# Altium PCB EPS.PcbDoc (part 7 of 10)
Units mm, origin at the board's own origin, x right, y up, seen from the top; angles counter-clockwise.
Board outline 90.25 x 93.64 mm, 8 copper layers (Top Layer, PGND, Power, Control Signals 1, Control Signals 2, Signal 1, Signal 2, Bottom Layer), stack 1.637 mm thick; 953 components, 561 nets, 2718 pads, 883 vias.
Unrouted connection lines stored in the file: 2.
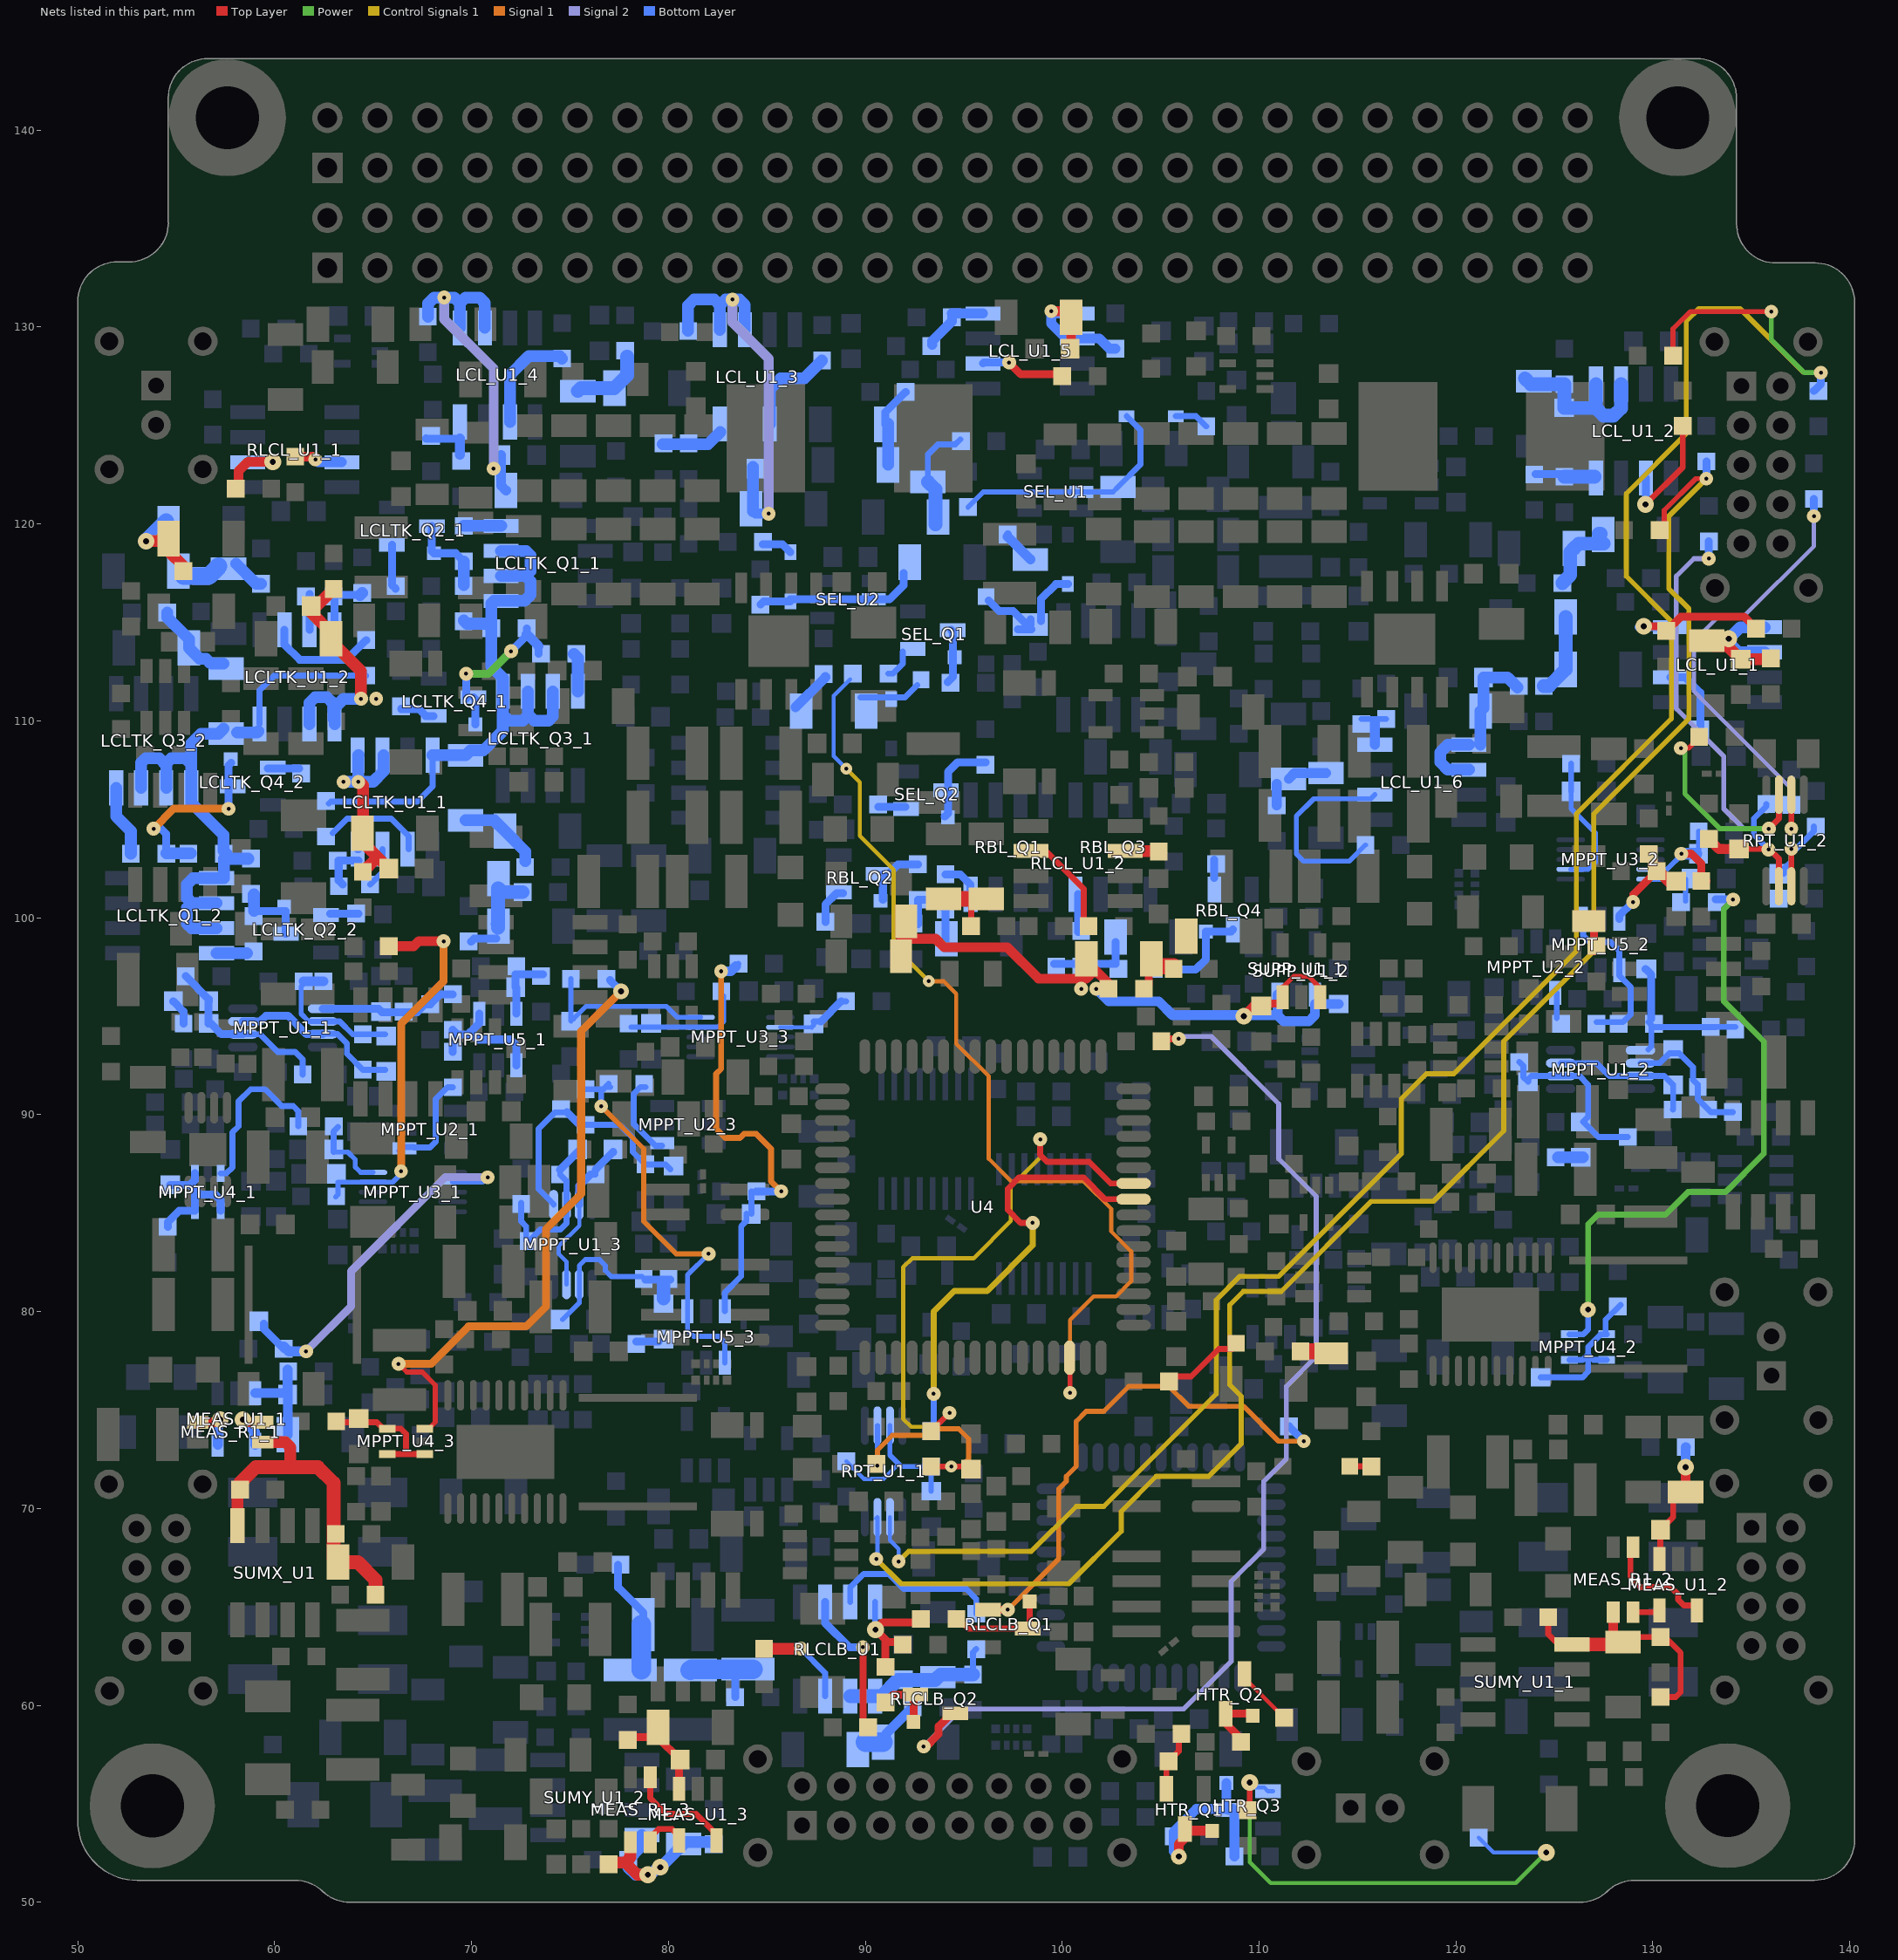
[diagram p13: the nets of this part, all layers, seen from the top]

## Via types
v1: diameter 0.7, hole 0.2, Top Layer to Bottom Layer, 440 vias
v2: diameter 0.85, hole 0.3, Top Layer to Bottom Layer, 329 vias
v3: diameter 0.6, hole 0.2, Top Layer to Bottom Layer, 70 vias
v4: diameter 0.8, hole 0.3, Top Layer to Bottom Layer, 24 vias
v5: diameter 0.75, hole 0.3, Top Layer to Bottom Layer, 13 vias
v6: diameter 0.7, hole 0.3, Top Layer to Bottom Layer, 3 vias
v7: diameter 1, hole 0.4, Top Layer to Bottom Layer, 2 vias
v8: diameter 1, hole 0.3, Top Layer to Bottom Layer, 1 vias
v9: diameter 0.75, hole 0.2, Top Layer to Bottom Layer, 1 vias

## Nets (pads, with @x,y where several pads share a name; then routed paths per layer and width w, separated by ;. In a path a pad name is that pad's centre, name@x,y a point inside that pad or via, vN(x,y) a via of type N, cw(c..) or ccw(c..) an arc to the next point about the centre after c; other vN are vias at no path point) (continued)
NetHTR_Q1_C: HTR_Q1.C HTR_Q1.Shield HTR_Q3.D HTR_Q3.Shield HTR_R2.2 HTR_R3.2 | length 11.6
  Top Layer w0.5: v4(105.918,52.324) 105.918,52.959 106.238,53.279 HTR_Q1.C@106.238,53.728 106.338,53.628 HTR_Q1.Shield@107.613,53.628
  Bottom Layer w0.5: v4(105.918,52.324) 105.653,52.589 HTR_R2.2@105.653,53.34 105.653,53.583 106.807,54.737 HTR_Q3.D@108.382,54.737 ; HTR_Q3.Shield@108.333,56.061 108.333,54.786 HTR_Q3.D@108.382,54.737 ; HTR_Q3.D@108.433,54.686 HTR_Q3.D@108.382,54.737 ; HTR_Q3.D@108.661,54.737 HTR_Q3.D@108.382,54.737 ; HTR_R3.2@108.752,52.324 HTR_Q3.D@108.752,54.686
NetHTR_Q1_E: HTR_Q1.E HTR_R1.1 HTR_R4.2 | length 3.1
  Top Layer w0.3: HTR_Q1.E@105.288,55.753 105.288,57.039 HTR_R4.2@105.399,57.15 105.918,57.669 HTR_R1.1@105.918,58.547
NetHTR_Q2_B: HTR_Q2.B HTR_R8.1 | length 3.1
  Top Layer w0.208: HTR_Q2.B@109.256,61.6 109.256,61.396 HTR_R8.1@111.277,59.374
NetHTR_Q2_C: HTR_Q2.C HTR_Q2.Shield HTR_R5.1 | length 3.1
  Top Layer w0.4: HTR_R5.1@109.129,58.268 108.306,59.091 HTR_Q2.C@108.306,59.575 109.581,59.575 HTR_Q2.Shield@109.681,59.475
NetHTR_Q3_G: HTR_Q3.G HTR_R6.2 HTR_R7.1 | length 27.3
  Top Layer w0.3: HTR_R6.2@109.093,54.57 109.525,55.002 v2(109.525,56.083)
  Power w0.208: v2(109.525,56.083) 109.525,52.045 110.592,50.978 123.038,50.978 v2(124.587,52.527)
  Bottom Layer w0.208: v2@109.347,55.829 v2@109.525,55.829 ; v2(109.525,56.083) v2@109.525,55.829 ; HTR_Q3.G@110.723,55.636 HTR_Q3.G@110.458,55.636 110.265,55.829 v2@109.525,55.829 ; HTR_R7.1@121.158,53.278 121.909,52.527 v2(124.587,52.527)
NetLCL_C1_1_2: LCL_C1_1.2 LCL_C3_1.1 LCL_R5_1.2 | length 4.1
  Bottom Layer w0.7: LCL_R5_1.2@124.46,111.771 124.726,111.771 LCL_C1_1.2@125.566,112.611 125.566,115.276 LCL_C3_1.1@125.564,115.278
NetLCL_C1_2_2: LCL_C1_2.2 LCL_C3_2.1 LCL_R5_2.2 | length 3.7
  Bottom Layer w0.7: LCL_R5_2.2@125.4,117 125.806,117.406 125.806,118.57 LCL_C3_2.1@125.987,118.75 126.237,119 LCL_C1_2.2@127.5,119 ; LCL_C1_2.2@127.25,119.5 LCL_C1_2.2@127.35,119.5
NetLCL_C1_3_2: LCL_C1_3.2 LCL_C3_3.1 LCL_R5_3.2 | length 4.2
  Bottom Layer w0.4: LCL_C1_3.2@91.02,125.057 91.02,125.68 LCL_R5_3.2@92.048,126.708
  Bottom Layer w0.6: LCL_C3_3.1@91.15,123 LCL_C1_3.2@91.15,125.1
NetLCL_C1_4_2: LCL_C1_4.2 LCL_C3_4.1 LCL_R5_4.2 | length 3.8
  Bottom Layer w0.7: LCL_C1_4.2@75.4,126.75 75.55,126.9 LCL_C3_4.1@77.25,126.9 77.9,127.55 LCL_R5_4.2@77.9,128.5
NetLCL_C1_5_2: LCL_C1_5.2 LCL_C3_5.1 LCL_R5_5.2 | length 5.7
  Bottom Layer w0.3: LCL_C1_5.2@93.18,122.137 93.18,123.533 93.688,124.041 94.566,124.041 LCL_R5_5.2@94.82,124.295
  Bottom Layer w0.7: LCL_C1_5.2@93.18,122.137 93.56,121.757 LCL_C3_5.1@93.56,119.977
NetLCL_C1_6_2: LCL_C1_6.2 LCL_C3_6.1 LCL_R5_6.2 | length 3.1
  Bottom Layer w0.5: LCL_R5_6.2@110.9,105.7 LCL_C3_6.1@110.9,106.807 ; LCL_C3_6.1@111.5,107.05 111.8,107.35 LCL_C1_6.2@113.4,107.35
NetLCL_C4_1_2: LCL_C4_1.2 LCL_C5_1.2 LCL_R3_1.2 LCL_U1_1.5 LCL_U1_1.6 | length 7.3
  Top Layer w0.6: LCL_C4_1.2@133.096,113.792 133.793,113.792 LCL_C5_1.2@134.455,113.13 LCL_R3_1.2@135.852,113.13
  Bottom Layer w0.6: LCL_U1_1.6@135.672,113.485 134.343,113.485 133.858,113.97 v2(133.858,114.173) 134.44,114.755 LCL_U1_1.5@135.672,114.755
NetLCL_C4_2_2: LCL_C4_2.2 LCL_C5_2.2 LCL_R3_2.2 LCL_U1_2.5 LCL_U1_2.6 | length 9
  Bottom Layer w0.7: LCL_C4_2.2@123.5,127.4 123.8,127.1 LCL_R3_2.2@125.5,127.1 LCL_C5_2.2@125.5,125.9 125.51,125.89 127.11,125.89 ; LCL_U1_2.5@127.11,127.11 127.11,125.89 ; LCL_U1_2.6@128.38,127.11 128.38,125.88 128,125.5 127.5,125.5 127.11,125.89
NetLCL_C4_3_2: LCL_C4_3.2 LCL_C5_3.2 LCL_R3_3.2 LCL_U1_3.5 LCL_U1_3.6 | length 21.9
  Signal 2 w0.5: v1(83.25,131.4) 83.25,130.237 85.09,128.397 v1(85.09,120.523)
  Bottom Layer w0.4: LCL_C4_3.2@84.3,120.65 LCL_C4_3.2@84.427,120.523
  Bottom Layer w0.5: LCL_C4_3.2@84.427,120.523 v1(85.09,120.523)
  Bottom Layer w0.6: LCL_R3_3.2@81,129.8 81,131.1 81.3,131.4 82.32,131.4 82.61,131.11 ; LCL_U1_3.5@82.61,129.86 82.61,131.11 ; LCL_U1_3.6@83.88,129.86 83.88,131.12 83.6,131.4 v1(83.25,131.4) 82.9,131.4 82.61,131.11 ; LCL_C4_3.2@84.3,120.65 LCL_C5_3.2@84.3,122.9
NetLCL_C4_4_2: LCL_C4_4.2 LCL_C5_4.2 LCL_R3_4.2 LCL_U1_4.5 LCL_U1_4.6 | length 18.2
  Signal 2 w0.5: v1(68.61,131.5) 68.61,130.399 71.12,127.889 v1(71.12,122.809)
  Bottom Layer w0.5: LCL_C5_4.2@71.5,123.5 71.5,121.95 LCL_C4_4.2@71.75,121.7
  Bottom Layer w0.6: LCL_R3_4.2@67.8,130.529 67.8,131.2 68.1,131.5 v1(68.61,131.5) 69.12,131.5 69.41,131.21 ; LCL_U1_4.5@69.41,129.96 69.41,131.21 ; LCL_U1_4.6@70.68,129.96 70.68,131.22 70.4,131.5 69.7,131.5 69.41,131.21
NetLCL_C4_5_2: LCL_C4_5.2 LCL_C5_5.2 LCL_R3_5.2 LCL_U1_5.5 LCL_U1_5.6 | length 7.9
  Top Layer w0.5: v1(99.441,130.81) 100.14,130.81 LCL_C4_5.2@100.45,130.5 100.45,128.95 LCL_C5_5.2@100.4,128.9
  Bottom Layer w0.5: v1(99.441,130.81) v1@99.441,130.69 ; LCL_U1_5.6@100.203,129.413 99.441,130.175 v1@99.441,130.69 ; LCL_U1_5.6@100.76,129.42 101.88,129.42 102.4,128.9 LCL_R3_5.2@102.7,128.9 ; LCL_U1_5.5@100.76,130.69 v1@99.441,130.69
NetLCL_C4_6_2: LCL_C4_6.2 LCL_C5_6.2 LCL_R3_6.2 LCL_U1_6.5 LCL_U1_6.6 | length 9.1
  Bottom Layer w0.6: LCL_U1_6.6@120.66,107.52 119.58,107.52 119.2,107.9 119.2,108.4 119.59,108.79 LCL_U1_6.5@120.66,108.79 ; LCL_U1_6.5@121.25,108.8 LCL_C4_6.2@121.25,110.5 121.4,110.65 LCL_C5_6.2@121.4,112.2 122.623,112.2 LCL_R3_6.2@123.121,111.702
NetLCL_R1_1_1: LCL_R1_1.1 LCL_U1_1.2 | length 3.7
  Bottom Layer w0.4: LCL_U1_1.2@130.892,112.215 131.625,112.215 132.412,111.428 LCL_R1_1.1@132.412,109.563
NetLCL_R1_2_1: LCL_R1_2.1 LCL_U1_2.2 | length 6.1
  Top Layer w0.3: v2(129.629,120.993) 131.521,122.885 LCL_R1_2.1@131.521,124.982
  Bottom Layer w0.4: v2(129.629,120.993) 129.65,121.014 LCL_U1_2.2@129.65,122.33
NetLCL_R1_3_1: LCL_R1_3.1 LCL_U1_3.2 | length 5
  Bottom Layer w0.6: LCL_U1_3.2@85.15,125.08 85.15,126.85 85.7,127.4 86.9,127.4 LCL_R1_3.1@87.8,128.3
NetLCL_R1_4_1: LCL_R1_4.1 LCL_U1_4.2 | length 5.5
  Bottom Layer w0.6: LCL_U1_4.2@71.95,125.18 71.95,127.576 72.899,128.525 74.475,128.525 LCL_R1_4.1@74.6,128.4
NetLCL_R1_5_1: LCL_R1_5.1 LCL_U1_5.2 | length 4.2
  Top Layer w0.4: v1(97.3,128.2) 97.9,127.6 LCL_R1_5.1@99.9,127.6
  Bottom Layer w0.4: LCL_U1_5.2@95.98,128.15 96.03,128.2 v1(97.3,128.2)
NetLCL_R1_6_1: LCL_R1_6.1 LCL_U1_6.2 | length 10.4
  Bottom Layer w0.254: LCL_R1_6.1@115.4,103.7 114.57,102.87 112.268,102.87 111.887,103.251 111.887,105.156 112.776,106.045 115.675,106.045 LCL_U1_6.2@115.88,106.25
NetLCL_R2_1_2: LCL_R2_1.2 LCL_R4_1.1 LCL_U1_1.4 | length 8.3
  Top Layer w0.4: v2(129.54,114.808) 130.44,114.808 LCL_R4_1.1@130.683,114.565 130.694,114.565 131.42,115.291 134.634,115.291 LCL_R2_1.2@135.244,114.681
  Bottom Layer w0.4: v2(129.54,114.808) 129.316,114.808 129.263,114.755 LCL_U1_1.4@130.892,114.755
NetLCL_R2_2_2: LCL_R2_2.2 LCL_R4_2.1 LCL_U1_2.4 | length 3.1
  Bottom Layer w0.4: LCL_R4_2.1@124.041,122.528 125.372,122.528 LCL_R2_2.2@125.5,122.4
  Bottom Layer w0.7: LCL_R2_2.2@125.5,122.4 LCL_U1_2.4@127.04,122.4
NetLCL_R2_3_2: LCL_R2_3.2 LCL_R4_3.1 LCL_U1_3.4 | length 3.2
  Bottom Layer w0.6: LCL_R4_3.1@79.718,124.052 82.015,124.052 LCL_U1_3.4@82.639,124.676
NetLCL_R2_4_2: LCL_R2_4.2 LCL_R4_4.1 LCL_U1_4.4 | length 2.5
  Bottom Layer w0.4: LCL_R2_4.2@67.691,124.344 67.702,124.333 LCL_U1_4.4@69.41,124.333
  Bottom Layer w0.5: LCL_R4_4.1@69.41,123.51 LCL_U1_4.4@69.41,124.333
NetLCL_R2_5_2: LCL_R2_5.2 LCL_R4_5.1 LCL_U1_5.4 | length 3.4
  Bottom Layer w0.5: LCL_R4_5.1@93.4,129.1 93.4,129.3 94.4,130.3 LCL_R2_5.2@94.4,130.5 ; LCL_R2_5.2@94.39,130.69 LCL_U1_5.4@95.98,130.69
NetLCL_R2_6_2: LCL_R2_6.2 LCL_R4_6.1 LCL_U1_6.4 | length 2.5
  Bottom Layer w0.3: LCL_R4_6.1@115.189,110.098 LCL_R2_6.2@116.459,110.098
  Bottom Layer w0.5: LCL_U1_6.4@115.88,108.79 115.88,109.982
NetLCLTK_C1_1_2: LCLTK_C1_1.2 LCLTK_C3_1.1 LCLTK_R14_1.2 LCLTK_R16_1.1 | length 4.9
  Bottom Layer w0.4: LCLTK_R16_1.1@69.977,98.784 70.126,98.933 LCLTK_C3_1.1@71.247,98.933 ; LCLTK_C3_1.1@71.166,99.684 LCLTK_C3_1.1@71.35,99.5
  Bottom Layer w0.7: LCLTK_C3_1.1@71.35,99.5 71.35,101.5 71.55,101.3 LCLTK_R14_1.2@72.595,101.3
NetLCLTK_C1_2_2: LCLTK_C1_2.2 LCLTK_C3_2.1 LCLTK_R14_2.2 LCLTK_R16_2.1 | length 3.7
  Bottom Layer w0.6: LCLTK_C1_2.2@58.039,117.983 59.066,116.956 LCLTK_R14_2.2@59.309,116.956
  Bottom Layer w0.9: LCLTK_C3_2.1@55.372,117.348 56.642,117.348 LCLTK_C1_2.2@57.15,117.856
NetLCLTK_C2_1_1: LCLTK_C2_1.1 LCLTK_Q1_1.S LCLTK_Q3_1.S LCLTK_R1_1.2 LCLTK_R4_1.2 LCLTK_R9_1.2 LCLTK_U1_1.8 | length 32.3
  Bottom Layer w0.3: LCLTK_R4_1.2@62.75,105.8 62.85,105.9 67.2,105.9 ; 67.25,105.9 68.02,106.67 LCLTK_U1_1.8@68.02,108.26
  Bottom Layer w0.6: LCLTK_U1_1.8@68.02,108.26 69.69,108.26 LCLTK_C2_1.1@69.7,108.25 69.95,108.5 70.6,108.5 71.59,109.49 71.59,110.31 ; LCLTK_R1_1.2@69.6,115.1 69.765,114.935 70.765,114.935 LCLTK_R9_1.2@71,114.7 ; LCLTK_Q1_1.S@71.5,117.36 72.74,117.36 ; LCLTK_Q1_1.S@71.5,118.63 72.77,118.63 73,118.4 73,117.6 72.76,117.36 72.74,117.36 ; LCLTK_Q3_1.S@72.86,111.5 72.86,110.34 ; LCLTK_Q3_1.S@74.13,111.5 74.13,110.23 73.9,110 73.2,110 72.86,110.34 ; LCLTK_R9_1.2@71,114.7 71,112.769 71.59,112.179 LCLTK_Q3_1.S@71.59,111.5 71.59,110.31 ; LCLTK_R9_1.2@71,114.7 71,115.958 71.132,116.09 LCLTK_Q1_1.S@71.5,116.09 72.69,116.09 73,116.4 73,117.1 72.74,117.36 ; 71.59,110.31 71.9,110 72.6,110 72.86,110.26 72.86,110.34
NetLCLTK_C2_1_2: LCLTK_C2_1.2 LCLTK_C5_1.1 LCLTK_R15_1.2 | length 4.2
  Bottom Layer w0.6: LCLTK_C2_1.2@69.7,104.95 71.15,104.95 LCLTK_C5_1.1@71.7,104.4 72.733,103.367 LCLTK_R15_1.2@72.733,102.867
NetLCLTK_C2_2_1: LCLTK_C2_2.1 LCLTK_Q1_2.S LCLTK_Q3_2.S LCLTK_R1_2.2 LCLTK_R4_2.2 LCLTK_R9_2.2 LCLTK_U1_2.8 | length 31.8
  Bottom Layer w0.3: LCLTK_U1_2.8@59.23,109.84 59.23,111.554 59.976,112.3 LCLTK_R4_2.2@64.65,112.3 LCLTK_R4_2.2@64.55,112.2
  Bottom Layer w0.6: LCLTK_Q3_2.S@53.22,106.6 53.22,107.87 53.45,108.1 54.15,108.1 54.49,107.76 ; LCLTK_Q3_2.S@54.49,106.6 54.49,107.76 ; LCLTK_Q1_2.S@57.05,99.47 55.78,99.47 55.55,99.7 55.55,100.5 55.79,100.74 55.81,100.74 ; LCLTK_Q1_2.S@57.05,100.74 55.81,100.74 ; LCLTK_C2_2.1@57.4,109.6 57.147,109.347 56.261,109.347 55.76,108.846 55.76,107.79 ; LCLTK_R9_2.2@57.55,103.251 57.404,103.397 57.404,104.203 55.76,105.847 LCLTK_Q3_2.S@55.76,106.6 55.76,107.79 ; LCLTK_C2_2.1@58.1,109.4 59.108,109.4 LCLTK_U1_2.8@59.182,109.474 ; LCLTK_R1_2.2@58.674,102.997 57.433,102.997 57.433,102.01 LCLTK_Q1_2.S@57.05,102.01 55.86,102.01 55.55,101.7 55.55,101 55.81,100.74 ; 54.49,107.76 54.49,107.84 54.75,108.1 55.45,108.1 55.76,107.79
NetLCLTK_C2_2_2: LCLTK_C2_2.2 LCLTK_C5_2.1 LCLTK_R15_2.2 | length 4.3
  Bottom Layer w0.6: LCLTK_R15_2.2@54.55,115.5 54.55,115.249 55.65,114.149 LCLTK_C5_2.1@55.65,113.7 56.193,113.157 56.515,113.157 56.772,112.9 LCLTK_C2_2.2@57.4,112.9
NetLCLTK_C4_1_2: LCLTK_C4_1.2 LCLTK_C6_1.2 LCLTK_R7_1.2 LCLTK_U1_1.5 LCLTK_U1_1.6 | length 10.7
  Top Layer w0.6: v1@64.329,106.9 64.5,106.729 64.5,104.3 64.45,104.25 64.45,103.85 65.15,103.15 ; LCLTK_R7_1.2@64.478,102.335 65.15,103.007 65.15,103.15 ; LCLTK_C4_1.2@65.635,102.335 LCLTK_C4_1.2@65.8,102.5 65.15,103.15
  Bottom Layer w0.6: v1(63.5,106.9) v1(64.25,106.9) 64.25,108.25 LCLTK_U1_1.5@64.26,108.26 ; v1@64.329,106.9 64.99,106.9 65.53,107.44 LCLTK_U1_1.6@65.53,108.26
NetLCLTK_C4_2_2: LCLTK_C4_2.2 LCLTK_C6_2.2 LCLTK_R7_2.2 LCLTK_U1_2.5 LCLTK_U1_2.6 | length 12.5
  Top Layer w0.6: LCLTK_C6_2.2@62.9,114.454 61.822,115.532 LCLTK_R7_2.2@62.992,116.702 ; LCLTK_C6_2.2@62.95,114.2 62.95,113.961 64.389,112.522 v1(64.389,111.125)
  Bottom Layer w0.6: LCLTK_U1_2.6@61.77,109.84 61.77,110.92 62.05,111.2 62.65,111.2 62.992,110.858 LCLTK_U1_2.5@62.992,110.109 ; LCLTK_U1_2.5@63.04,109.84 63.04,110.665 63.5,111.125 v1(64.389,111.125)
  other v1: 65.151,111.125
NetLCLTK_Q1_1_G: LCLTK_Q1_1.G LCLTK_R2_1.2 | length 1.9
  Bottom Layer w0.6: LCLTK_R2_1.2@69.6,119.9 LCLTK_Q1_1.G@71.5,119.9
NetLCLTK_Q1_2_G: LCLTK_Q1_2.G LCLTK_R2_2.2 | length 1.5
  Bottom Layer w0.6: LCLTK_Q1_2.G@57.05,98.2 LCLTK_R2_2.2@58.587,98.2
NetLCLTK_Q2_1_B: LCLTK_Q2_1.B LCLTK_R3_1.1 | length 2.3
  Bottom Layer w0.4: LCLTK_Q2_1.B@65.959,118.938 65.959,116.904 LCLTK_R3_1.1@66.15,116.713
NetLCLTK_Q2_1_C: LCLTK_Q2_1.C LCLTK_Q2_1.Shield LCLTK_R1_1.1 LCLTK_R2_1.1 | length 4.3
  Bottom Layer w0.4: LCLTK_Q2_1.C@67.984,119.888 67.984,118.613 LCLTK_Q2_1.Shield@68.084,118.513 69.187,118.513 LCLTK_R2_1.1@69.6,118.1
  Bottom Layer w0.6: LCLTK_R1_1.1@69.6,116.9 LCLTK_R2_1.1@69.6,118.1
NetLCLTK_Q2_2_B: LCLTK_Q2_2.B LCLTK_R3_2.1 | length 1.4
  Bottom Layer w0.4: LCLTK_Q2_2.B@62.825,100.2 LCLTK_R3_2.1@64.25,100.2
NetLCLTK_Q2_2_C: LCLTK_Q2_2.C LCLTK_Q2_2.Shield LCLTK_R1_2.1 LCLTK_R2_2.1 | length 4.5
  Bottom Layer w0.4: LCLTK_R2_2.1@58.95,100.341 60.539,100.341 60.55,100.33 LCLTK_Q2_2.C@60.55,99.187
  Bottom Layer w0.6: LCLTK_R1_2.1@58.928,101.178 58.95,101.2 58.95,100.341 LCLTK_R1_2.1@58.928,101.178
NetLCLTK_Q3_1_G: LCLTK_Q3_1.G LCLTK_R10_1.2 | length 2
  Bottom Layer w0.6: LCLTK_R10_1.2@75.2,113.4 75.4,113.2 LCLTK_Q3_1.G@75.4,111.5
NetLCLTK_Q3_2_G: LCLTK_Q3_2.G LCLTK_R10_2.2 | length 3.7
  Bottom Layer w0.6: LCLTK_Q3_2.G@51.95,106.6 51.95,105.149 52.694,104.405 LCLTK_R10_2.2@52.694,103.251
NetLCLTK_Q4_1_B: LCLTK_Q4_1.B LCLTK_R11_1.1 | length 1.8
  Bottom Layer w0.4: LCLTK_R11_1.1@66.421,110.606 67.321,110.606 67.677,110.25 LCLTK_Q4_1.B@68.075,110.25
NetLCLTK_Q4_1_C: LCLTK_Q4_1.C LCLTK_Q4_1.Shield LCLTK_R9_1.1 LCLTK_R10_1.1 | length 8.2
  Power w0.4: v1(69.723,112.395) 70.866,112.395 v1(72.009,113.538)
  Bottom Layer w0.4: LCLTK_Q4_1.C@69.723,111.125 v1(69.723,112.395) ; LCLTK_Q4_1.C@70.1,111.2 70.2,111.1 LCLTK_Q4_1.Shield@70.2,109.825 ; v1(72.009,113.538) 72.8,114.329 72.8,114.398 LCLTK_R9_1.1@72.8,114.7 ; LCLTK_R10_1.1@73.4,113.4 LCLTK_R10_1.1@73.4,113.798
  Bottom Layer w0.5: LCLTK_R9_1.1@72.8,114.398 LCLTK_R10_1.1@73.4,113.798
NetLCLTK_Q4_2_B: LCLTK_Q4_2.B LCLTK_R11_2.1 | length 1.6
  Bottom Layer w0.4: LCLTK_Q4_2.B@59.65,107.573 LCLTK_R11_2.1@61.25,107.573
NetLCLTK_Q4_2_C: LCLTK_Q4_2.C LCLTK_Q4_2.Shield LCLTK_R9_2.1 LCLTK_R10_2.1 | length 9.6
  Signal 1 w0.4: v1(53.848,104.521) 54.864,105.537 v1(57.658,105.537)
  Bottom Layer w0.4: v1(53.848,104.521) 54.229,104.521 54.494,104.256 54.494,103.273 LCLTK_R10_2.1@54.494,103.251 ; v1(57.658,105.537) 57.658,107.738 LCLTK_Q4_2.Shield@57.785,107.865
  Bottom Layer w0.6: LCLTK_R10_2.1@54.494,103.273 LCLTK_R9_2.1@55.75,103.273
NetLCLTK_R4_1_1: LCLTK_R4_1.1 LCLTK_U1_1.2 | length 5.2
  Bottom Layer w0.3: LCLTK_R4_1.1@62.95,104.3 63.679,105.029 65.913,105.029 66.8,104.142 LCLTK_U1_1.2@66.8,103.48
NetLCLTK_R4_2_1: LCLTK_R4_2.1 LCLTK_U1_2.2 | length 5.6
  Bottom Layer w0.4: LCLTK_U1_2.2@60.5,114.62 60.5,113.871 61.271,113.1 63.65,113.1 LCLTK_R4_2.1@64.65,114.1
NetLCLTK_R6_1_2: LCLTK_R6_1.2 LCLTK_R13_1.1 LCLTK_U1_1.4 | length 2.3
  Bottom Layer w0.4: LCLTK_R6_1.2@63.45,101.7 63.25,101.9 63.25,102.9 LCLTK_U1_1.4@64.262,102.9 ; LCLTK_U1_1.4@64.21,103.48 LCLTK_U1_1.4@64.26,103.48
NetLCLTK_R6_2_2: LCLTK_R6_2.2 LCLTK_R13_2.1 LCLTK_U1_2.4 | length 3.2
  Bottom Layer w0.4: LCLTK_U1_2.4@63.04,114.62 63.04,116.39 LCLTK_R13_2.1@64.34,116.39
  Bottom Layer w0.6: LCLTK_R13_2.1@64.34,116.39 LCLTK_R13_2.1@64.45,116.5
NetLCLTK_R8_1_2: LCLTK_R8_1.2 LCLTK_U1_1.3 | length 2.1
  Bottom Layer w0.3: LCLTK_R8_1.2@64.848,101.689 65.48,102.321 LCLTK_U1_1.3@65.48,103.48
NetLCLTK_R8_2_2: LCLTK_R8_2.2 LCLTK_U1_2.3 | length 1.8
  Bottom Layer w0.4: LCLTK_U1_2.3@61.77,114.62 LCLTK_R8_2.2@61.77,116.448
NetLS_C1_1: LS_C1.1 LS_FB1.2 LS_FB2.2 LS_R2.1 SUPP_C4_1.1 SUPP_C4_2.1 SUPP_U1_1.1 SUPP_U1_1.3 SUPP_U1_2.1 SUPP_U1_2.3 | length 34.6
  Top Layer w0.254: SUPP_U1_2.1@111.191,96.459 111.765,97.033 112.5,97.033 SUPP_U1_2.3@113.091,96.441
  Top Layer w0.3: SUPP_U1_2.1@111.191,95.845 SUPP_U1_2.1@111.191,95.972 SUPP_U1_2.1@111.191,96.459 ; SUPP_U1_2.3@113.091,95.845 SUPP_U1_2.3@113.091,95.972 SUPP_U1_2.3@113.091,96.441
  Top Layer w0.4: SUPP_C4_2.1@110.109,95.642 SUPP_U1_2.1@111.125,95.642
  Top Layer w0.5: LS_FB2.2@91.82,98.044 LS_FB1.2@91.82,99.314 ; 91.973,98.933 93.574,98.933 94.005,98.501 97.206,98.501 98.806,96.901 101.219,96.901 LS_C1.1@101.473,97.155 ; LS_C1.1@101.474,97.917 101.474,97.535 102.351,96.658 LS_R2.1@102.351,96.393 LS_R2.1@102.351,96.266 ; v2(109.22,94.996) 109.739,95.515 110.07,95.629 SUPP_C4_2.1@110.109,95.642
  Top Layer w0.6: LS_FB1.2@91.82,99.314 LS_FB1.2@92.074,99.568
  Bottom Layer w0.5: v1(101.727,96.393) 102.362,95.758 104.902,95.758 105.603,95.057 110.937,95.057 ; SUPP_U1_1.3@110.937,96.099 110.937,95.057 ; SUPP_C4_1.1@114.046,95.62 112.837,95.62 112.837,95.057 112.522,94.742 111.252,94.742 110.937,95.057
  other v1: 100.965,96.393
NetLS_C1_2: LS_C1.2 LS_C2.1 LS_R2.2 LS_R4.1 | length 2.3
  Top Layer w0.4: LS_R2.2@104.394,96.636 LS_C1.2@104.394,97.536
  Top Layer w0.5: LS_R2.2@104.151,96.266 LS_R2.2@104.151,96.393 ; LS_C1.2@104.394,97.536 LS_C1.2@104.774,97.536
  Top Layer w0.8: LS_C1.2@104.774,97.536 LS_R4.1@105.653,97.536
NetLS_D1_K: LS_D1.K LS_R7.1 | length 4.2
  Top Layer w0.3: LS_R7.1@105.421,76.454 105.675,76.708 106.553,76.708 107.95,78.105 108.634,78.105 LS_D1.K@108.839,78.31
NetLS_D2_K: LS_D2.K LS_R8.2 | length 1.1
  Top Layer w0.3: LS_D2.K@114.603,72.136 115.686,72.136 LS_R8.2@115.697,72.125
NetLS_FB1_1_1: LS_FB1_1.1 SUPP_R2_1.2 | length 1.6
  Top Layer w0.4: LS_FB1_1.1@126.746,99.823 127,99.569 SUPP_R2_1.2@127,98.298
NetLS_FB1_2_1: LS_FB1_2.1 SUPP_R2_2.2 | length 1.3
  Top Layer w0.8: SUPP_R2_2.2@112.152,77.977 LS_FB1_2.1@113.411,77.977
NetMEAS_C2_1_1: MEAS_C2_1.1 MEAS_C3_1.1 MEAS_R3_1.2 MEAS_U1_1.3 | length 4.9
  Bottom Layer w0.5: MEAS_U1_1.3@59.012,75.861 MEAS_C3_1.1@60.577,75.861 ; MEAS_R3_1.2@60.657,77.051 60.657,75.941 MEAS_C3_1.1@60.577,75.861 ; MEAS_C2_1.1@60.669,73.749 60.669,75.769 MEAS_C3_1.1@60.657,75.781 MEAS_C3_1.1@60.577,75.861
NetMEAS_C2_2_1: MEAS_C2_2.1 MEAS_C3_2.1 MEAS_R3_2.2 MEAS_U1_2.3 | length 5.6
  Top Layer w0.3: MEAS_U1_2.3@130.33,67.693 130.38,67.743 MEAS_C3_2.1@130.38,68.923 130.38,69.177 130.645,69.177 131.026,69.558 MEAS_C2_2.1@131.026,70.574
  Top Layer w0.5: MEAS_C2_2.1@131.661,70.829 v2(131.661,72.098)
  Bottom Layer w0.5: v2(131.661,72.098) 131.661,73.103 MEAS_R3_2.2@131.672,73.114
NetMEAS_C2_3_1: MEAS_C2_3.1 MEAS_C3_3.1 MEAS_R3_3.2 MEAS_U1_3.3 | length 5.6
  Top Layer w0.4: MEAS_R3_3.2@77.94,58.117 78.205,58.382 79.21,58.382 MEAS_C2_3.1@79.465,58.637 ; MEAS_C2_3.1@79.465,59.144 MEAS_C2_3.1@79.465,58.89 MEAS_C2_3.1@79.465,58.637 ; MEAS_U1_3.3@80.546,55.755 80.546,57.2 MEAS_C3_3.1@80.585,57.239 79.465,58.359 MEAS_C2_3.1@79.465,58.637
NetMEAS_R1_1_1: MEAS_R1_1.1 MEAS_R2_1.1 SUMX_C1.1 SUMX_R1.1 SUMX_R2.1 SUMX_U1.8 | length 17.1
  Top Layer w0.6: SUMX_U1.8@58.113,69.124 SUMX_R1.1@58.113,70.824 ; MEAS_R1_1.1@59.397,73.376 59.405,73.368 60.541,73.368 60.795,73.114 60.795,72.098
  Top Layer w0.7: SUMX_R1.1@58.244,70.955 58.244,71.3 59.042,72.098 60.795,72.098 62.192,72.098 62.992,71.298 62.992,67.489 SUMX_C1.1@63.209,67.272 64.224,67.272 65.124,66.372 SUMX_R2.1@65.124,65.621
NetMEAS_R1_1_2: MEAS_R1_1.2 MEAS_U1_1.4 | length 2.6
  Top Layer w0.5: v2(58.382,74.511) 58.509,74.384 59.389,74.384 MEAS_R1_1.2@59.397,74.376
  Bottom Layer w0.5: v2(58.382,74.511) 59.012,73.881 MEAS_U1_1.4@59.012,73.241
NetMEAS_R1_1_3: MEAS_R1_1.3 MEAS_U1_1.5 | length 2.5
  Top Layer w0.5: MEAS_R1_1.3@56.097,74.376 57.104,74.376 v2(57.239,74.511)
  Bottom Layer w0.5: MEAS_U1_1.5@57.112,73.241 57.112,74.384 v2(57.239,74.511)
NetMEAS_R1_2_1: MEAS_R1_2.1 MEAS_R2_2.1 SUMY_C1_1.1 SUMY_R1_1.1 SUMY_R2_1.1 SUMY_U1_1.8 | length 12.9
  Top Layer w0.3: SUMY_R2_1.1@124.687,64.478 124.687,63.603 125.194,63.096 SUMY_U1_1.8@125.893,63.096 ; SUMY_C1_1.1@128.486,63.207 128.752,63.473 SUMY_R1_1.1@130.391,63.473 130.608,63.473 131.407,62.674 131.407,60.668 131.164,60.425 MEAS_R2_2.1@130.391,60.425
  Top Layer w0.5: SUMY_C1_1.1@127.986,63.462 MEAS_R1_2.1@127.986,64.733 MEAS_R1_2.1@127.986,64.987
  Top Layer w0.7: SUMY_U1_1.8@125.893,63.096 128.375,63.096 SUMY_C1_1.1@128.486,63.207
NetMEAS_R1_2_2: MEAS_R1_2.2 MEAS_U1_2.4 | length 1.5
  Top Layer w0.3: MEAS_R1_2.2@128.994,64.732 130.264,64.732 130.294,64.83 MEAS_U1_2.4@130.33,64.946
NetMEAS_R1_2_3: MEAS_R1_2.3 MEAS_U1_2.5 | length 5.9
  Top Layer w0.3: MEAS_R1_2.3@128.859,68.287 128.859,66.518 129.375,66.002 130.899,66.002 131.28,65.621 131.28,65.367 131.574,65.073 MEAS_U1_2.5@132.23,65.073